# Allegro board RK_EVB7_RK3588_LP4XD200P232SD8_V11_20230111YWQ.brd (continued)
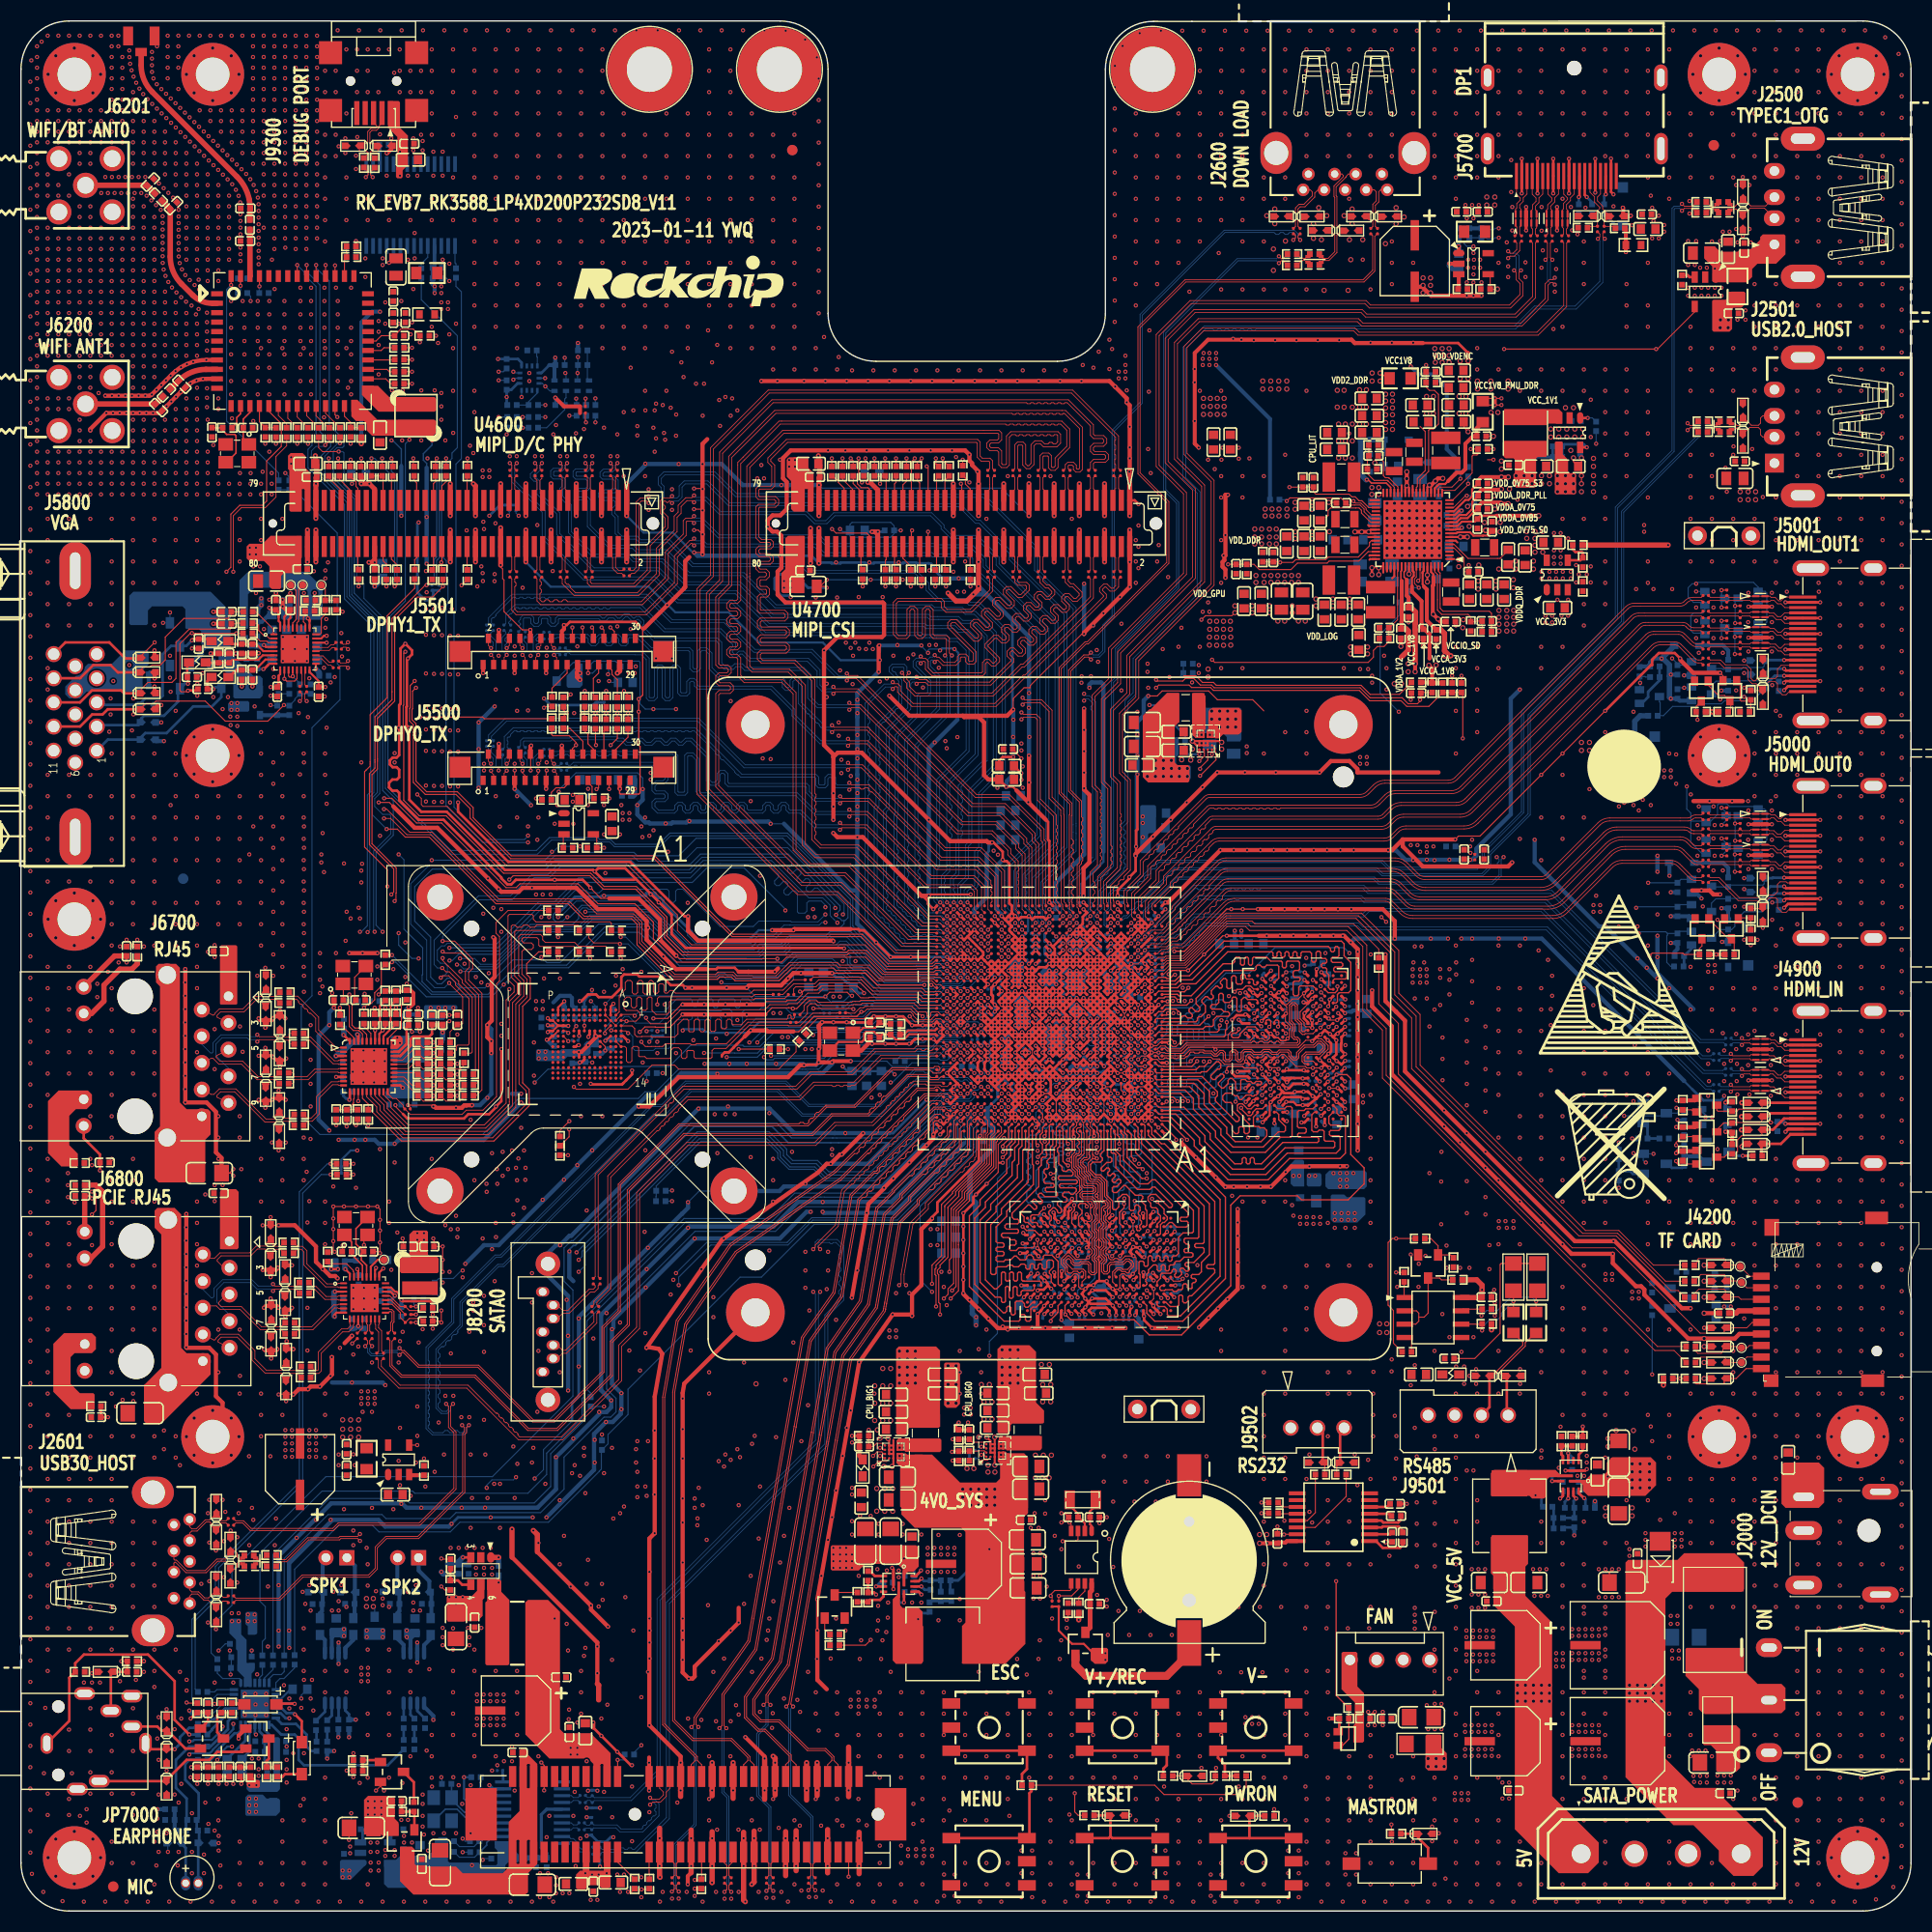
[diagram p0: board, top side]
## Copper pours and planes (outline as drawn; the poured copper is in the pictures) (continued)
VDD_CPU_LIT_S0 on L4-GND2: 96.29,84.37 95.78,83.86 73.3,83.86 70.57,86.59 70.57,120.88 90.58,140.88 105.18,140.88 109.37,145.07 113.94,145.07 115.72,143.3 115.72,133.14 114.07,131.49 101.5,131.49 87.02,117.01 87.02,95.8 96.29,86.53
VDD_CPU_LIT_S0 on L5-POWER2: 115.21,144.06 115.21,128.95 114.71,128.44 114.71,128.06 115.09,127.68 115.09,126.41 113.56,124.88 112.55,124.88 109.75,122.09 109.75,115.86 109.12,115.23 105.69,115.23 105.56,115.36 105.05,114.85 102.01,114.85 101.63,114.47 101.63,114.34 101.5,114.21 98.96,114.21 96.42,111.67 86.51,111.67 84.23,109.39 84.23,92.37 87.78,88.81 93.24,88.81 93.37,88.69 93.37,87.54 93.5,87.42 96.29,87.42 96.42,87.29 96.42,84.11 96.04,83.73 81.81,83.73 81.69,83.86 72.42,83.86 62.89,93.39 62.89,114.85 92.35,144.31 114.96,144.31
VDD_DDR_PLL_S0 on TOP: 140.23,135.17 141.88,135.17 142.01,135.3 142.01,135.55 141.76,135.8 140.74,135.8 140.61,135.68 140.36,135.68 140.23,135.55
VDD_DDR_PLL_S0 on L4-GND2: 97.31,54.02 93.5,57.83 93.5,64.94 99.09,70.53 99.09,73.57 99.47,73.95 99.47,79.42 99.34,79.54 99.34,79.92 99.09,80.18 99.09,80.56 99.97,81.45 100.61,81.45 101.12,81.96 101.24,81.96 101.37,81.83 101.37,80.69 101.24,80.56 100.48,80.56 100.23,80.3 100.23,79.42 100.36,79.29 100.36,77.76 101.12,77 101.37,77 101.63,76.75 101.63,76.49 101.75,76.37 101.75,69 101.24,68.49 99.09,68.49 94.51,63.92 94.51,59.48 97.94,56.05 99.34,56.05 100.61,54.78 99.85,54.02
VDD_DDR_S0 on TOP: 125.63,129.33 125.63,130.85 125.5,130.98 124.61,130.98 123.98,130.34 120.04,130.34 119.91,130.47 119.91,131.74 119.66,131.99 117.37,131.99 116.99,131.61 116.99,129.58 117.5,129.07 119.66,129.07 119.79,128.95 124.1,128.95 124.49,129.33
VDD_DDR_S0 on L3-POWER1: 98.32,80.05 98.2,80.18 97.82,80.18 97.43,80.56 97.43,91.35 98.07,91.99 101.5,91.99 101.75,92.24 102.77,92.24 103.28,92.75 103.28,95.54 103.4,95.67 103.4,107.86 105.56,110.02 109.5,110.02 112.04,112.56 112.04,113.07 114.2,115.23 114.2,123.36 111.4,126.15 111.4,131.74 112.17,132.5 120.04,132.5 120.42,132.12 120.42,129.83 119.53,128.95 119.53,128.06 119.66,127.93 122.07,127.93 122.45,127.55 122.45,119.04 120.55,117.13 120.55,109.13 113.56,102.15 113.56,99.35 110.39,96.18 110.39,88.56 108.61,86.78 104.17,86.78 103.53,86.15 103.53,84.24 103.66,84.11 103.66,82.59 103.53,82.46 103.53,81.19 103.28,80.94 102.9,80.94 102.77,80.81 102.77,80.3 102.51,80.05
VDD_GPU_S0 on BOTTOM (solid shape): 108.1,105.2 108.1,102.78 107.98,102.66 107.89,102.66 107.81,102.67 107.73,102.66 107.47,102.66 107.34,102.53 107.34,102.02 107.59,101.77 107.59,100.88 107.47,100.75 106.71,100.75 106.58,100.88 106.58,105.2 106.71,105.32 107.98,105.32
VDD_GPU_S0 on BOTTOM (solid shape): 99.97,89.7 100.22,89.58 100.46,89.7 100.48,89.7 100.61,89.58 100.86,89.58 101,89.6 101.1,89.69 101.12,89.7 101.63,89.7 101.75,89.58 101.75,89.28 101.56,89.07 101.52,88.98 101.52,88.96 101.37,88.81 101.37,87.54 101.24,87.42 100.61,87.42 100.61,87.42 100.36,87.67 100.09,87.67 99.84,87.42 99.02,88.25 99.02,88.49 99.12,88.6 99.15,88.59 99.33,88.59 99.48,88.68 99.51,88.71 99.53,88.76 99.59,88.81 99.59,89.07 99.47,89.19 99.39,89.19 99.38,89.2 99.24,89.23 99.09,89.19 99.09,89.19 99.02,89.26 99.02,89.76 99.09,89.83 99.84,89.83
VDD_GPU_S0 on TOP: 125.12,125.39 125.25,125.52 125.25,128.15 121.91,128.15 121.31,127.55 117.63,127.55 117.5,127.68 115.34,127.68 115.21,127.55 115.21,125.64 115.72,125.14 122.96,125.14 123.22,125.39
VDD_GPU_S0 on L4-GND2: 99.34,87.42 99.34,90.46 99.72,90.85 99.72,109.51 109.25,119.04 114.45,119.04 115.72,120.31 115.72,127.68 116.1,128.06 122.33,128.06 123.98,126.41 123.98,120.31 115.02,111.36 115.02,107.17 110.64,102.78 110.64,93.64 107.98,90.97 107.72,90.97 105.05,88.31 104.93,88.31 104.93,87.92 104.8,87.8 101.63,87.8 101.12,87.29 99.47,87.29 ; 1 cut-out
VDD_GPU_S0 on L5-POWER2: 99.59,86.65 104.67,86.65 105.56,87.54 105.56,88.18 106.2,88.81 106.2,89.83 106.32,89.96 108.74,89.96 112.67,93.89 119.53,93.89 124.1,98.47 124.1,114.85 125.63,116.37 125.63,125.39 123.09,127.93 117.25,127.93 111.53,122.21 111.53,112.56 112.42,111.67 112.42,108.12 109.75,105.45 106.2,105.45 99.34,98.59 99.34,86.91
VDD_LOG_S0 on BOTTOM (solid shape): 98.21,89.58 98.51,89.7 98.7,89.7 98.76,89.64 98.76,88.24 98.58,88.05 97.18,88.05 96.97,88.26 96.95,88.36 96.9,88.45 96.9,88.7 97.05,88.85 97.05,89.45 97.43,89.83 97.96,89.83
VDD_LOG_S0 on TOP: 130.84,122.98 130.84,124.25 128.17,124.25 127.41,123.48 123.47,123.48 122.33,122.34 118.9,122.34 118.14,123.1 113.06,123.1 112.93,122.98 112.93,120.44 114.07,119.29 124.87,119.29 126.39,120.82 129.57,120.82 129.69,120.94 129.69,122.6 129.82,122.72 130.58,122.72
VDD_LOG_S0 on TOP: 94.13,109.51 94.13,107.48 94.26,107.36 95.15,107.36 95.53,107.74 95.53,109.39 95.28,109.64 94.26,109.64
VDD_LOG_S0 on L4-GND2: 101.63,130.98 87.27,116.63 87.27,95.67 96.67,86.27 96.67,85.26 96.8,85.13 99.59,85.13 99.72,85.26 99.72,86.53 99.09,87.16 99.09,95.04 99.21,95.16 99.21,109.64 109.12,119.55 114.58,119.55 115.6,120.56 115.6,129.45 114.07,130.98
VDD_LOG_S0 on L6-S2: 96.29,80.43 96.29,80.81 96.67,81.19 96.67,82.59 98.32,84.24 98.32,84.62 98.45,84.75 98.45,85.13 98.13,85.45 97.75,85.45 97.69,85.51 97.69,85.77 98.07,86.15 100.99,86.15 100.99,82.84 100.1,81.96 99.47,81.96 97.43,79.92 96.8,79.92
VDD_NPU_S0 on TOP (solid shape): 110.26,113.2 109.88,112.82 109.88,109.39 110.13,109.13 111.15,109.13 111.28,109.01 111.28,107.61 111.15,107.48 107.34,107.48 106.83,107.99 106.83,113.83 107.47,114.47 107.59,114.47 109.12,115.99 110.26,115.99
VDD_NPU_S0 on BOTTOM (solid shape): 110.26,111.67 110.26,110.15 110.01,109.9 110.01,109.26 110.13,109.13 111.28,109.13 111.4,109.01 111.4,107.86 111.28,107.74 107.09,107.74 106.96,107.86 106.96,111.67 107.09,111.8 110.13,111.8
VDD_NPU_S0 on BOTTOM (solid shape): 95.07,90.67 95.11,90.62 95.16,90.58 95.28,90.46 95.39,90.46 95.51,90.35 95.51,90.29 95.53,90.28 95.53,89.57 95.4,89.45 95.4,89.38 95.36,89.23 95.4,89.08 95.4,88.73 95.36,88.58 95.4,88.43 95.4,88.08 95.39,88.06 95.15,88.06 95.15,88.05 94.51,88.05 94.39,88.18 94.36,88.18 94.35,88.35 94.26,88.5 94.26,88.66 94.35,88.79 94.37,88.94 94.37,89.09 94.01,89.45 94.01,89.79 94.03,89.83 94.05,89.87 94.13,89.96 94.13,90.34 94.26,90.46 94.39,90.46 94.51,90.59 94.51,90.72 94.64,90.85 94.89,90.85
VDD_NPU_S0 on BOTTOM: 93.75,101.01 93.75,104.94 94.26,105.45 95.4,105.45 95.66,105.7 95.66,107.1 95.53,107.23 94.89,107.23 94.77,107.1 94.77,105.7 94.64,105.58 93.12,105.58 92.86,105.32 92.86,101.64 92.48,101.26 92.48,100.75 92.86,100.37 93.12,100.37
VDD_NPU_S0 on L5-POWER2: 93.62,88.05 93.62,88.81 93.37,89.07 92.86,89.07 92.23,89.7 87.15,89.7 84.48,92.37 84.48,109.01 86.64,111.17 96.8,111.17 99.34,113.71 101.88,113.71 102.77,114.59 109.37,114.59 109.44,114.53 110.07,114.53 110.77,113.83 110.77,110.53 111.53,109.77 111.53,107.99 109.5,105.96 105.94,105.96 98.83,98.85 98.83,90.34 98.7,90.21 99.09,89.83 99.09,88.05 98.7,87.67 95.78,87.67 95.66,87.8 93.88,87.8
VDD_VDENC_S0 on BOTTOM (solid shape): 100.36,86.52 100.6,86.52 100.87,86.25 100.97,86.07 101.16,85.98 101.2,85.93 101.25,85.84 101.33,85.77 101.37,85.74 101.37,85.65 101.36,85.61 101.35,85.57 101.34,85.48 101.24,85.38 100.61,85.38 100.55,85.33 100.42,85.33 100.36,85.26 100.1,85.26 100.01,85.31 99.92,85.33 99.9,85.33 99.85,85.38 99.85,86.4 100.1,86.65 100.23,86.65
VDD_VDENC_S0 on TOP: 134.39,139.74 136.93,139.74 137.06,139.87 137.06,140.88 136.55,141.39 136.55,144.57 136.42,144.69 136.42,149.14 136.17,149.39 134.52,149.39 134.39,149.27 134.39,145.2 134.77,145.2 135.28,144.69 135.28,141.26 134.9,140.88 134.39,140.88
VDD_VDENC_S0 on BOTTOM: 117.37,92.75 117.37,91.61 117.25,91.48 115.34,91.48 115.21,91.61 115.21,92.75 115.34,92.88 117.25,92.88
VDD_VDENC_S0 on L4-GND2: 100.36,82.46 99.97,82.84 99.97,86.91 100.1,87.04 101.37,87.04 101.88,87.54 104.55,87.54 110.9,93.89 110.9,102.91 115.21,107.23 115.21,111.17 124.23,120.18 124.23,126.41 121.06,129.58 121.06,149.9 122.2,151.04 136.04,151.04 136.42,150.66 136.42,147.23 136.17,146.98 134.39,146.98 134.26,147.11 134.26,147.49 134.14,147.61 133.5,147.61 133.25,147.36 133.25,147.23 131.22,145.2 129.57,145.2 129.18,144.82 129.18,136.31 129.82,135.68 129.82,134.79 129.31,134.28 129.31,128.82 129.95,128.18 133.25,128.18 133.63,127.8 133.63,119.42 133.38,119.17 133.38,117.52 125.88,110.02 125.37,110.02 124.1,108.75 124.1,108.12 120.17,104.18 120.17,101.64 119.91,101.39 119.91,100.62 120.17,100.37 120.17,94.53 114.13,88.5 114.13,85.45 113.44,84.75 112.8,84.75 112.67,84.88 103.28,84.88 103.02,84.62 103.02,82.84 102.64,82.46 ; 1 cut-out
VDDA_0V85_S0 on BOTTOM (solid shape): 99.66,92.61 99.91,92.49 100.16,92.61 100.28,92.61 100.54,92.48 100.81,92.61 100.93,92.61 101.19,92.48 101.46,92.61 101.64,92.61 101.67,92.57 101.67,92.39 101.59,92.3 101.54,92.18 101.54,92.16 101.4,92.01 99.7,92.01 99.57,92.14 99.57,92.16 99.54,92.29 99.47,92.39 99.47,92.56 99.49,92.59 99.51,92.61
VDDA_0V85_S0 on TOP: 140.23,133.14 144.68,133.14 144.81,133.01 144.81,132.63 144.68,132.5 141.25,132.5 141.12,132.63 140.61,132.63 140.49,132.76 140.11,132.76 140.11,133.01
VDDA_0V85_S0 on L3-POWER1: 140.36,97.07 142.39,99.1 142.39,103.42 140.36,105.45 140.36,116.25 143.41,119.29 143.41,133.26 143.54,133.39 145.95,133.39 147.09,132.25 147.09,96.94 146.08,95.93 146.08,78.91 145.31,78.15 145.31,64.56 144.81,64.05 140.49,64.05 140.36,64.18
VDDA_0V85_S0 on L3-POWER1: 80.61,73.76 87.78,80.94 91.08,80.94 91.21,81.07 91.21,81.15 91.25,81.19 91.72,81.19 91.72,76.88 85.12,70.27 85.12,54.78 84.61,54.27 80.8,54.27 79.02,56.05 79.02,69.76 80.61,71.35
VDDA_0V85_S0 on L3-POWER1: 99.77,91.94 99.59,92.12 99.59,92.75 100.74,93.89 100.74,95.42 100.36,95.8 100.36,96.56 100.1,96.81 100.1,110.15 105.31,115.36 108.36,115.36 109.75,116.75 109.75,123.48 110.77,124.5 112.93,124.5 113.44,123.99 113.44,123.23 112.67,122.47 112.67,119.42 112.55,119.29 112.55,116.63 109.5,113.58 106.45,113.58 101.63,108.75 101.63,100.5 102.13,99.99 102.13,95.42 102.39,95.16 102.39,93.51 102.01,93.13 102.01,92.62 101.32,91.94
VDDA_0V85_S0 on L6-S2: 142.27,65.95 142.39,65.83 142.39,61.13 141.63,60.37 130.2,60.37 118.52,48.68 80.42,48.68 78.38,50.71 78.38,52.62 81.62,55.86 84.29,55.86 87.66,52.49 95.91,52.49 96.16,52.75 115.21,52.75 126.26,63.79 129.18,63.79 131.34,65.95
VDDA_0V85_S0 on L6-S2: 118.9,121.71 138.46,121.71 140.74,123.99 142.9,123.99 143.66,124.75 143.66,128.82 143.03,129.45 143.03,131.74 143.28,131.99 144.42,131.99 144.81,132.37 144.81,133.52 144.42,133.9 142.39,133.9 141.38,132.88 141.38,129.96 140.61,129.2 140.61,127.93 135.79,123.1 122.83,123.1 121.31,124.63 119.53,124.63 119.02,125.14 116.36,125.14 116.1,125.39 112.42,125.39 112.04,125.01 112.04,123.48 112.42,123.1 115.47,123.1 115.85,122.72 117.88,122.72
VDDA_1V2_S0 on TOP: 130.45,119.04 130.58,119.17 130.58,119.67 130.71,119.8 131.6,119.8 131.72,119.67 131.72,119.42 131.6,119.29 131.6,117.52 131.85,117.26 131.85,116.75 131.47,116.37 130.71,116.37 130.45,116.63
VDDA_1V2_S0 on L3-POWER1: 96.42,91.99 97.56,91.99 98.07,92.5 98.07,104.82 96.16,106.72 95.53,106.72 93.75,108.5 93.75,110.02 94.01,110.28 95.4,110.28 95.53,110.4 95.53,111.29 95.4,111.42 92.35,111.42 91.34,110.4 91.34,107.61 96.48,102.47 96.48,96.88 96.16,96.56 96.16,92.24
VDDA_1V2_S0 on L6-S2: 95.15,109.64 100.48,109.64 103.28,112.44 112.04,112.44 112.29,112.18 123.72,112.18 125.63,114.09 131.09,114.09 131.85,114.85 131.85,116.88 131.34,117.39 129.57,117.39 127.91,115.74 103.34,115.74 101.69,114.09 100.48,114.09 97.82,111.42 94.89,111.42 94.77,111.29 94.77,110.02
VDDQ_DDR on BOTTOM (solid shape): 126.26,67.99 127.91,67.99 128.04,67.86 128.04,66.33 127.28,65.57 124.99,65.57 124.74,65.83 124.74,68.11 124.87,68.24 126.01,68.24
VDDQ_DDR on L3-POWER1: 95.78,64.94 97.43,66.59 98.58,66.59 99.21,65.95 99.21,63.79 98.7,63.29 98.7,58.97 99.02,58.65 99.02,57.64 98.7,57.32 98.7,56.81 98.58,56.68 98.58,56.17 98.83,55.92 99.59,55.92 99.72,56.05 106.32,56.05 106.71,56.43 106.71,57.57 106.07,58.21 105.82,58.21 105.69,58.33 105.69,58.59 105.94,58.84 106.2,58.84 106.96,59.6 106.96,60.75 106.83,60.87 106.83,62.65 106.32,63.16 106.32,64.81 107.02,65.51 107.02,66.27 107.59,66.84 108.86,66.84 109.75,65.95 123.34,65.95 125.76,68.37 125.76,74.72 125.18,75.29 120.87,75.29 120.8,75.35 117.88,75.35 116.36,76.88 116.36,77.26 117.37,78.27 117.37,78.53 117.63,78.78 119.15,78.78 119.53,78.4 120.17,78.4 120.42,78.65 122.58,78.65 122.83,78.4 123.85,78.4 124.23,78.78 124.23,79.16 124.36,79.29 124.74,79.29 125.12,78.91 125.12,78.53 125.95,77.7 126.45,77.7 126.77,78.02 126.77,85.89 126.52,86.15 126.01,86.15 125.5,85.64 125.25,85.64 124.87,85.26 124.49,85.26 124.23,85.51 124.23,85.77 123.98,86.02 119.53,86.02 118.64,85.13 117.75,85.13 117.5,85.38 117.5,86.02 116.36,87.16 116.36,88.43 117.5,89.58 128.8,89.58 129.57,88.81 129.57,65.06 117.5,53 97.82,53 95.78,55.03 ; 2 cut-outs
VDDQ_DDR_CK_S0 on BOTTOM (solid shape): 122.2,71.41 122.2,69 121.18,69 120.93,69.26 120.93,71.16 121.31,71.54 122.07,71.54
VDDQ_DDR_CK_S0 on L3-POWER1: 102.9,80.56 102.9,79.92 104.42,78.4 104.42,75.73 109.37,70.78 111.02,70.78 112.42,69.38 114.2,69.38 114.33,69.51 121.95,69.51 122.2,69.76 122.2,70.27 120.93,71.54 114.33,71.54 112.8,73.07 109.88,73.07 106.2,76.75 106.2,78.02 103.53,80.69 103.02,80.69
VDDQ_DDR_CKE_S3 on BOTTOM (solid shape): 123.85,70.14 123.85,69.13 123.72,69 122.58,69 122.45,69.13 122.45,70.14 122.58,70.27 123.72,70.27
VDDQ_DDR_CKE_S3 on L3-POWER1: 113.56,75.61 116.1,73.07 121.69,73.07 123.6,71.16 123.6,69.76 123.47,69.64 122.58,69.64 122.45,69.76 122.45,70.02 120.8,71.67 114.83,71.67 113.06,73.45 109.75,73.45 106.58,76.62 106.58,77.89 103.91,80.56 103.91,82.21 105.82,82.21 108.99,79.03 108.99,77 110.39,75.61
VDDQ_DDR_CKE_S3 on L6-S2: 104.67,81.96 104.67,81.07 103.53,79.92 103.53,79.29 103.02,78.78 101.75,78.78 101.24,78.27 100.48,78.27 100.36,78.4 100.36,78.78 100.48,78.91 100.61,78.91 100.74,79.03 100.74,80.05 100.86,80.18 101.63,80.18 102.64,81.19 102.64,81.96 102.9,82.21 104.42,82.21
VDDQ_DDR_S0 on TOP: 135.53,124.12 135.41,124.25 135.41,125.14 137.19,125.14 137.44,125.39 142.39,125.39 142.52,125.26 142.52,121.71 142.27,121.45 139.85,121.45 139.73,121.58 139.73,123.99 139.6,124.12
VDDQ_DDR_S0 on BOTTOM: 121.44,68.24 123.72,68.24 123.85,68.11 123.85,66.97 124.04,66.78 124.04,65.13 124.49,64.68 128.55,64.68 129.31,65.45 129.31,88.94 130.33,89.96 134.14,89.96 134.39,89.7 134.39,88.18 133.88,87.67 132.49,87.67 132.23,87.42 132.23,62.78 131.22,61.76 122.58,61.76 121.69,62.65 121.69,65.19 121.56,65.32 121.56,66.21 121.69,66.33 121.69,67.35 121.44,67.6
VDDQ_DDR_S0 on L4-GND2: 145.19,122.72 145.19,102.78 141.25,98.85 141.25,90.72 138.26,87.73 131.91,87.73 131.6,88.05 131.6,101.89 140.23,110.53 140.23,123.99 140.61,124.37 143.54,124.37
VDDQ_DDR_S0 on L4-GND2: 102.01,76.62 101.37,77.26 101.24,77.26 100.36,78.15 100.36,80.05 100.61,80.3 102.51,80.3 102.95,80.74 102.95,82.59 103.02,82.66 103.02,84.5 113.94,84.5 114.45,83.99 114.45,79.03 123.98,69.51 123.98,65.19 123.72,64.94 113.69,64.94 110.01,68.62 103.4,68.62 102.01,70.02 ; 1 cut-out
(no net) on TOP: 146.58,41.57 147.8,41.57 147.8,41.32 145.57,41.32 145.31,41.06 145.31,39.54 145.06,39.28 143.92,39.28 143.66,39.54 139.98,39.54 139.98,41.7 140.3,42.01 146.14,42.01
(no net) on TOP: 149.25,39.54 148.74,40.05 148.74,40.55 148.49,40.81 147.47,40.81 147.47,41.06 149,41.06 149.5,41.57 150.77,41.57 151.03,41.82 151.03,42.71 151.54,43.22 155.22,43.22 155.73,42.71 155.73,40.55 154.71,39.54
(no net) on TOP: 84.23,30.9 84.23,32.04 84.48,32.3 84.99,32.3 85.5,32.81 85.5,34.58 85.24,34.84 77.24,34.84 77.11,34.71 77.11,32.55 77.24,32.43 79.78,32.43 80.42,33.06 83.46,33.06 83.97,32.55 83.97,30.9
(no net) on TOP: 89.56,23.66 89.56,27.09 89.94,27.47 89.94,36.11 89.56,36.49 85.12,36.49 83.85,37.76 83.85,42.71 84.35,42.71 85.12,43.47 86.77,43.47 89.43,40.81 92.86,40.81 94.01,41.95 94.01,42.71 94.39,43.09 95.78,43.09 95.91,42.97 95.91,37.89 95.53,37.51 95.53,30.52 95.66,30.39 95.66,25.44 93.75,23.54 89.69,23.54
(no net) on TOP: 101.88,24.93 101.88,23.92 102.26,23.54 103.28,23.54 103.53,23.79 103.53,24.93 103.4,25.06 102.01,25.06
(no net) on TOP: 83.46,30.14 83.46,31.36 83.72,31.36 83.72,29.12 83.97,28.87 85.5,28.87 85.88,28.49 85.88,23.66 85.75,23.54 83.34,23.54 83.02,23.85 83.02,29.7
(no net) on L4-GND2: 105.44,53.89 126.64,53.89 130.58,57.83 130.58,61.13 136.55,67.1 137.57,67.1 142.27,71.8 142.27,97.83 146.2,101.77 146.2,125.39 145.95,125.64 145.95,127.68 145.69,127.93 145.69,133.26 142.39,136.57 142.39,145.96 136.8,151.55 122.2,151.55 120.93,150.28 120.93,144.69 120.68,144.44 115.34,144.44 114.45,145.33 114.45,149.65 113.82,150.28 113.82,156 119.41,161.58 154.71,161.58 157.76,158.54 157.76,113.45 151.41,107.1 151.41,61 130.9,40.49 116.55,40.49 106.58,30.52 81.18,30.52 80.42,31.28 80.42,44.11 82.32,46.01 97.56,46.01
(no net) on L4-GND2: 33.43,3.72 33.36,3.79 31.97,3.79 31.52,4.23 30.38,4.23 29.93,3.79 24.66,3.79 23.27,5.18 23.27,6.01 22.38,6.9 21.49,6.9 17.42,10.96 16.79,10.96 15.65,12.11 15.65,12.36 12.34,15.66 12.34,16.68 8.92,20.11 8.41,20.11 7.14,21.38 7.14,84.62 6.88,84.88 6.88,89.58 7.26,89.96 7.26,96.69 7.14,96.81 7.14,108.63 8.03,109.51 8.03,120.31 7.39,120.94 7.39,130.98 8.28,131.87 22.25,131.87 22.63,131.49 22.63,128.95 22.25,128.56 20.09,128.56 19.2,127.68 19.2,113.83 20.85,112.18 20.85,27.35 21.11,27.09 36.47,27.09 39.9,30.52 42.44,30.52 44.48,28.49 44.48,25.31 49.3,20.49 121.56,20.49 124.87,17.19 130.14,17.19 131.03,18.07 145.44,18.07 150.9,23.54 150.9,42.08 151.66,42.84 167.67,42.84 168.3,42.2 168.3,12.49 159.54,3.72 129.18,3.72 128.93,3.98 87.53,3.98 87.27,3.72 58.06,3.72 57.94,3.85 51.84,3.85 51.71,3.98 48.79,3.98 48.54,3.72
FAN_12V on TOP: 132.23,24.81 132.87,24.17 132.87,16.93 132.61,16.68 132.61,15.15 132.49,15.03 130.84,15.03 130.33,15.53 130.33,19.6 130.71,19.98 130.71,24.42 131.09,24.81
HDMI_VDDA0V85_S0 on BOTTOM (solid shape): 103.4,89.45 103.78,89.07 103.83,89.07 103.84,89.04 103.91,88.96 104,88.93 104.04,88.92 104.04,88.81 104.26,88.59 104.25,88.56 104.25,88.52 104.11,88.25 104.25,87.98 104.25,87.87 104.21,87.83 104.17,87.79 104.01,87.63 104.01,87.57 103.97,87.52 103.97,87.47 103.91,87.42 103.29,87.42 103.16,87.54 103.16,88.94 103.15,88.94 102.9,89.19 102.9,89.58 103.02,89.7 103.4,89.7
HDMI_VDDA0V85_S0 on TOP: 140.49,134.28 140.49,134.03 140.74,133.77 141.88,133.77 142.14,134.03 142.14,134.28 142.01,134.41 140.61,134.41
HDMI_VDDA0V85_S0 on TOP: 136.93,101.51 137.06,101.64 139.34,101.64 139.6,101.39 139.6,100.88 139.47,100.75 138.84,100.75 138.58,100.49 137.95,100.49 137.69,100.75 137.06,100.75 136.93,100.88
HDMI_VDDA0V85_S0 on L3-POWER1: 143.15,119.17 140.36,116.37 140.36,101.89 139.04,100.57 136.85,100.57 136.74,100.69 136.74,102.85 137.82,103.93 137.82,119.8 138.96,120.94 138.96,123.61 140.87,125.52 140.87,129.71 141.25,130.09 141.25,132.88 140.74,133.39 140.74,134.28 141,134.53 142.27,134.53 143.15,133.64
HDMI_VDDA0V85_S0 on L6-S2: 102.39,95.8 102.39,92.88 103.15,92.12 103.15,87.42 103.28,87.29 103.78,87.29 103.91,87.42 103.91,88.94 103.53,89.32 103.53,89.7 103.66,89.83 104.04,89.83 104.17,89.96 104.17,93.89 106.58,96.31 106.51,96.37 108.23,98.08 137.95,98.08 138.46,98.59 138.46,101.39 138.2,101.64 135.03,101.64 134.77,101.39 134.77,99.61 134.14,98.97 127.66,98.97 127.15,99.48 106.2,99.48 104.67,97.96 104.55,97.96
PA_5V on BOTTOM (solid shape): 34.7,26.84 34.7,25.95 34.57,25.82 32.79,25.82 32.66,25.95 32.66,26.84 32.79,26.96 34.57,26.96
PA_5V on BOTTOM (solid shape): 31.01,26.96 31.01,26.08 30.89,25.95 30.51,25.95 30.38,26.08 29.49,26.08 29.36,26.2 29.36,26.84 29.49,26.96 30.51,26.96 30.63,27.09 30.89,27.09
PA_5V on BOTTOM (solid shape): 36.98,26.84 37.87,26.84 38,26.71 38,26.2 37.87,26.08 37.49,26.08 37.24,25.82 36.73,25.82 36.47,26.08 36.47,26.84 36.6,26.96 36.86,26.96
PA_5V on L6-S2: 30.51,26.96 30.51,25.82 30.76,25.57 36.6,25.57 36.98,25.95 36.98,26.96 36.86,27.09 30.63,27.09
PHY0_REG_OUT on TOP (solid shape): 36.35,83.13 36.35,82.59 35.87,82.12 35.2,82.12 35.2,82.97 35.62,83.38 36.09,83.38
PHY0_REG_OUT on BOTTOM (solid shape): 38.76,82.97 38.76,80.81 35.46,80.81 35.2,81.07 35.2,83.23 35.33,83.35 38.38,83.35
PHY1_REG_OUT on TOP: 36.22,58.59 39.78,58.59 39.78,59.98 36.22,59.98 35.97,60.24 34.7,60.24 34.32,59.86 34.32,59.73 34.37,59.68 35.26,59.68 35.71,59.22 35.84,59.22 36.22,58.84
PMIC_SW1 on TOP: 126.39,128.06 126.77,128.44 127.53,128.44 128.3,129.2 129.44,129.2 129.44,128.44 128.55,128.44 128.04,127.93 128.04,125.77 127.66,125.39 126.39,125.39
PMIC_SW2 on TOP: 129.44,133.9 129.44,134.46 128.5,134.46 128.17,134.79 128.17,135.68 127.91,135.93 127.91,137.58 127.66,137.84 126.39,137.84 126.39,135.17 126.77,134.79 127.15,134.79 127.53,134.41 127.79,134.41 128.3,133.9
PMIC_SW3 on TOP: 128.93,125.52 128.93,126.66 130.07,126.66 130.45,127.04 130.45,127.29 130.71,127.55 130.71,128.44 130.96,128.44 130.96,125.77 130.71,125.52
PMIC_SW4 on TOP: 133.5,135.68 133.5,136.44 134.26,137.2 134.26,138.09 134.65,138.47 136.55,138.47 136.68,138.34 136.68,137.45 136.17,136.95 134.9,136.95 133.88,135.93 133.88,135.68
PMIC_SW5 on TOP: 126.52,129.33 126.52,130.85 126.64,130.98 128.42,130.98 128.42,130.47 127.91,129.96 127.91,129.71 127.53,129.33
PMIC_SW6 on TOP: 131.09,135.68 130.84,135.93 130.58,135.93 129.95,136.57 129.95,137.58 131.6,137.58 131.6,135.68
PMIC_SW7 on TOP: 126.64,131.74 126.58,131.8 126.58,133.39 127.41,133.39 127.41,133.14 128.42,132.12 128.42,131.81 128.37,131.81 128.3,131.74
PMIC_SW8 on TOP: 137.82,128.95 136.55,130.22 136.55,130.6 136.92,130.6 137.06,130.47 137.95,130.47 138.2,130.72 138.84,130.72 138.96,130.6 138.96,129.07 138.84,128.95
PMIC_SW9 on TOP: 135.15,126.02 135.15,128.44 135.17,128.45 135.47,128.45 135.47,128.37 136.3,127.55 136.8,127.55 137.06,127.29 137.06,126.15 136.93,126.02
PMIC_SW10 on TOP: 132.23,135.68 132.23,137.2 131.85,137.58 131.85,138.47 133.5,138.47 133.5,136.95 132.87,136.31 132.87,135.68
RJ45_0_GND on TOP (solid shape): 15.27,66.33 15.27,53.63 15.77,53.13 17.81,53.13 18.06,52.87 18.06,51.09 13.36,46.4 11.96,46.4 11.71,46.65 11.71,50.08 13.36,51.73 13.36,64.43 12.73,65.06 12.73,66.72 12.98,66.97 14.63,66.97
RJ45_1_GND on TOP (solid shape): 15.14,89.83 15.14,77 15.77,76.37 17.81,76.37 18.06,76.11 18.06,73.95 17.55,73.45 17.55,69.51 17.42,69.38 13.11,69.38 12.73,69.76 12.73,74.21 13.23,74.72 13.23,88.05 12.85,88.43 12.85,89.96 13.11,90.21 14.76,90.21
RJ45_1_YR- on TOP (solid shape): 6.76,77.76 6.76,76.88 6.25,76.37 5.23,76.37 4.6,75.73 4.6,72.94 5.42,72.12 5.42,70.96 5.36,70.91 3.84,70.91 2.57,72.18 2.57,77.13 3.58,78.15 6.38,78.15
RJ45_2_YR- on TOP (solid shape): 7.14,54.65 7.14,53.51 6.76,53.13 5.11,53.13 4.72,52.75 4.72,50.21 5.61,49.32 6.88,49.32 7.01,49.19 7.01,47.79 4.72,47.79 3.07,49.44 3.07,54.02 4.09,55.03 6.76,55.03
N17720882 on TOP (solid shape): 83.72,29.12 83.97,28.87 85.5,28.87 85.88,28.49 85.88,23.66 85.75,23.54 83.34,23.54 83.02,23.85 83.02,29.7 83.46,30.14 83.46,31.36 83.72,31.36
N17721858 on BOTTOM: 168.05,22.9 167.54,22.39 159.28,22.39 159.03,22.65 159.03,28.11 159.41,28.49 167.03,28.49 168.05,27.47
N17721922 on TOP (solid shape): 163.73,17.31 163.73,13.63 163.35,13.25 161.57,13.25 161.44,13.38 161.44,15.28 160.93,15.79 160.3,15.79 160.17,15.92 160.17,17.57 160.3,17.69 163.35,17.69
N17758514 on TOP (solid shape): 87.66,44.87 87.66,43.86 87.53,43.73 84.23,43.73 84.16,43.79 84.16,44.62 83.46,44.62 83.46,44.87 83.59,45 87.53,45
N17758921 on TOP (solid shape): 97.18,45.13 97.18,43.98 97.05,43.86 93.88,43.86 93.82,43.92 93.82,44.74 93.12,44.74 93.12,44.99 93.13,45.07 93.14,45.15 93.24,45.25 97.05,45.25
N17759951 on TOP (solid shape): 112.81,115.72 112.81,115.12 112.83,115.1 112.83,112.56 112.77,112.51 111.91,112.51 111.91,112.05 111.78,111.92 111.65,111.92 111.54,112.03 111.54,112.96 111.53,112.97 111.53,115.86 111.66,115.99 112.55,115.99
N18169840 on TOP (solid shape): 35.08,144.19 39.4,144.19 39.52,144.06 39.52,142.92 39.4,142.79 34.06,142.79 32.47,144.38 32.47,145.27 32.48,145.27 33.99,145.27
N18169845 on TOP (solid shape): 33.93,142.03 39.4,142.03 39.52,141.9 39.52,140.76 39.27,140.5 33.43,140.5 32.92,141.01 32.92,141.65 32.66,141.9 31.9,141.9 31.46,142.35 31.46,143.93 32.03,143.93
N18396738 on TOP (solid shape): 146.79,142.71 146.79,141.65 145.45,141.65 145.31,141.52 141.25,141.52 141.25,143.04 146.46,143.04
N18400523 on TOP (solid shape): 127.28,24.55 127.28,21.38 127.91,20.74 127.91,16.17 127.79,16.04 126.9,16.04 126.9,17.69 127.03,17.82 127.03,19.85 125.76,21.12 125.76,24.55 125.88,24.68 127.15,24.68
N18441687 on TOP (solid shape): 146.58,41.57 147.8,41.57 147.8,41.32 145.57,41.32 145.31,41.06 145.31,39.54 145.06,39.28 143.92,39.28 143.66,39.54 139.98,39.54 139.98,41.7 140.3,42.01 146.14,42.01
N18565686 on BOTTOM: 154.97,59.22 155.6,59.22 155.85,58.97 155.85,58.21 156.24,57.83 157.51,57.83 157.63,57.7 157.63,57.06 157.51,56.94 156.24,56.94 155.85,57.32 155.09,57.32 154.97,57.44
N19284797 on TOP: 147.09,125.26 149,125.26 149.12,125.39 149.12,125.9 149,126.02 147.98,126.02 147.6,126.41 146.96,126.41 146.96,125.39
N20527799 on TOP (solid shape): 45.75,31.41 45.75,30.39 46.51,29.63 46.51,23.54 46.38,23.41 44.35,23.41 44.22,23.54 44.22,29.38 44.39,29.54 44.39,31.58 44.48,31.66 45.49,31.66
N20580034 on TOP: 151.79,166.54 152.43,166.54 154.71,164.25 154.71,158.28 153.95,158.28 153.95,159.04 153.57,159.43 153.57,162.22 151.79,164
N24515533 on TOP (solid shape): 20.73,68.49 20.73,63.16 20.6,63.03 18.95,63.03 18.95,68.49 19.2,68.75 20.47,68.75
N24519353 on TOP (solid shape): 20.6,91.86 20.6,86.4 20.55,86.36 18.99,86.36 18.95,86.4 18.95,91.86 19.08,91.99 20.47,91.99
N28073800 on TOP: 137.31,46.52 137.31,47.79 135.92,49.19 135.92,52.87 135.79,53 133.63,53 133.38,52.75 133.38,48.17 133.12,47.92 133.12,46.65 133.5,46.27 137.06,46.27
GND on L6-S2 (solid shape): 80.06,35.22 80.08,35.11 79.98,35.04 79.61,35.04 78.54,36.11 78.52,36.22 78.62,36.28 78.99,36.28
GND on L6-S2 (solid shape): 68.16,77.22 68.26,77.16 68.24,77.05 67.33,76.14 67.29,76.17 67.04,76.24 66.81,76.12 66.74,76.08 66.67,76.11 65.73,77.05 65.7,77.16 65.8,77.22
GND on L6-S2 (solid shape): 46.48,66.64 46.57,66.59 46.57,66.49 46.6,66.13 46.92,65.98 46.95,65.99 47.46,65.47 47.49,65.36 47.39,65.3 44.86,65.3 44.77,65.36 44.79,65.47 45.96,66.64
GND on TOP: 4.57,0.51 1.7,1.7 0.51,4.57 0.51,175.43 1.7,178.3 4.57,179.49 72.29,179.49 75.16,178.3 76.35,175.43 76.35,152.16 77.84,148.57 81.43,147.08 98.7,147.08 102.3,148.57 103.78,152.16 103.78,175.39 104.98,178.27 107.85,179.46 111.51,179.45 175.43,179.49 178.3,178.3 179.49,175.43 179.49,4.57 178.3,1.7 175.43,0.51 ; 85 cut-outs
GND on L2-GND1, L7-GND3: 4.57,0.51 1.7,1.7 0.51,4.57 0.51,175.43 1.7,178.3 4.57,179.49 72.29,179.49 75.16,178.3 76.35,175.43 76.35,152.16 77.84,148.57 81.43,147.08 98.7,147.08 102.3,148.57 103.78,152.16 103.78,175.39 104.98,178.27 107.85,179.46 111.51,179.45 175.43,179.49 178.3,178.3 179.49,175.43 179.49,4.57 178.3,1.7 175.43,0.51
GND on L4-GND2: 4.57,0.51 1.7,1.7 0.51,4.57 0.51,175.43 1.7,178.3 4.57,179.49 72.29,179.49 75.16,178.3 76.35,175.43 76.35,152.16 77.84,148.57 81.43,147.08 98.7,147.08 102.3,148.57 103.78,152.16 103.78,175.39 104.98,178.27 107.85,179.46 111.51,179.45 175.43,179.49 178.3,178.3 179.49,175.43 179.49,4.57 178.3,1.7 175.43,0.51 ; 10 cut-outs
GND on L5-POWER2: 4.57,0.51 1.7,1.7 0.51,4.57 0.51,175.43 1.7,178.3 4.57,179.49 72.29,179.49 75.16,178.3 76.35,175.43 76.35,152.16 77.84,148.57 81.43,147.08 98.7,147.08 102.3,148.57 103.78,152.16 103.78,175.39 104.98,178.27 107.85,179.46 111.51,179.45 175.43,179.49 178.3,178.3 179.49,175.43 179.49,4.57 178.3,1.7 175.43,0.51 ; 4 cut-outs
(no net) on BOTTOM: 4.57,0.51 1.7,1.7 0.51,4.57 0.51,175.43 1.7,178.3 4.57,179.49 72.29,179.49 75.16,178.3 76.35,175.43 76.35,152.16 77.84,148.57 81.43,147.08 98.7,147.08 102.3,148.57 103.78,152.16 103.78,175.39 104.98,178.27 107.85,179.46 111.51,179.45 175.43,179.49 178.3,178.3 179.49,175.43 179.49,4.57 178.3,1.7 175.43,0.51 ; 66 cut-outs
(no net) on L3-POWER1: 4.57,0.51 1.7,1.7 0.51,4.57 0.51,175.43 1.7,178.3 4.57,179.49 72.29,179.49 75.16,178.3 76.35,175.43 76.35,152.16 77.84,148.57 81.43,147.08 98.7,147.08 102.3,148.57 103.78,152.16 103.78,175.39 104.98,178.27 107.85,179.46 111.51,179.45 175.43,179.49 178.3,178.3 179.49,175.43 179.49,4.57 178.3,1.7 175.43,0.51 ; 20 cut-outs
(no net) on L6-S2: 4.57,0.51 1.7,1.7 0.51,4.57 0.51,175.43 1.7,178.3 4.57,179.49 72.29,179.49 75.16,178.3 76.35,175.43 76.35,152.16 77.84,148.57 81.43,147.08 98.7,147.08 102.3,148.57 103.78,152.16 103.78,175.39 104.98,178.27 107.85,179.46 111.51,179.45 175.43,179.49 178.3,178.3 179.49,175.43 179.49,4.57 178.3,1.7 175.43,0.51 ; 30 cut-outs

Small or netless copper shapes (teardrops, artwork), in the pictures only: 2 on L6-S2, 1 on TOP

## Text on the board
Ref Des/Silkscreen Bottom: SPK1 | SPK2
User.Comments: CR_SPEAKER_1 | CR_SPEAKER_2 | CR_1_2 | CR_UNNAMED_1 | CR_HDMI_1 | CR_HDMI_3 | CR_DDR0_1 | CR_1_10 | CR_1_8
Ref Des/Silkscreen Top: VDD_GPU | VDD_DDR | VDD_LOG | VDD2_DDR | VCC1V8 | VCCA_1V8 | VCCA_3V3 | VDD_VDENC | VCCIO_SD | VCC1V8_PMU_DDR | VDD_0V75_S3 | VDDA_DDR_PLL | VDDA_0V75 | VDDA_0V85 | VDD_0V75_S0 | VCC_1V1 | VCC_3V3 | CPU_BIG1 | CPU_BIG0 | CPU_LIT | VDDA_1V2 | VCC_1V8 | VDDQ_DDR | WIFI/BT ANT0 | WIFI ANT1 | J2601 | USB30_HOST | J5800 | J6200 | VGA | PCIE RJ45 | J6800 | JP7000 | J6201 | EARPHONE | MIC | J6700 | RJ45 | SPK1 | RK_EVB7_RK3588_LP4XD200P232SD8_V11 | DPHY1_TX | DPHY0_TX | SPK2 | J5501 | J5500 | U4600 | MIPI_D/C PHY | 2023-01-11 YWQ | U4700 | MIPI_CSI | 4V0_SYS | MENU | ESC | V+/REC | RESET | PWRON | RS232 | V- | MASTROM | FAN | J9501 | RS485 | SATA_POWER | TF CARD | J4200 | TYPEC1_OTG | J2501 | USB2.0_HOST | J2500 | J5000 | HDMI_OUT0 | J5001 | J4900 | HDMI_OUT1 | HDMI_IN | J9300 | DEBUG PORT | J8200 | SATA0 | J2600 | DOWN LOAD | J9502 | VCC_5V | DP1 | J5700 | 5V | J2000 | ON | OFF | 12V__DCIN | 12V
User.7: FIGURE | SIZE | 7.87 | 11.81 | 25.98 | 27.56 | 29.13 | 33.46 | 35.43 | 36.22 | 39.37 | 40.16 | 43.31 | 53.15 | 62.99 | 66.9 | 70.87 | 90.55 | 94.49 | 106.3 | 125.98 | 169.29 | 31.5 | 47.24 | 51.18 | 55.12 | 59.06 | 78.74 | 86.61 | 133.86 | 59.06x27.56 | 59.06x31.5 | 66.93x27.56 | 66.93x35.43 | 78.74x23.62 | 78.74x31.49 | 86.61x27.56 | 90.55x39.37 | 106.3x35.43 | 137.8x39.37 | DRILL CHART: TOP to BOTTOM | ALL UNITS ARE IN MILS | PLATED | NON-PLATED | QTY | 8315 | 93 | 624 | 2 | 18 | 7 | 4 | 26 | 6 | 15 | 10 | 12 | 3 | 1
User.17: 1 | 2 | 29 | 30 | 3 | 9 | 6 | 4 | 7 | 5 | AY | AV | AW | AT | AU | AP | AR | AM | AN | AK | AL | AH | AJ | AF | AG | AD | AE | AB | AC | Y | AA | V | W | T | U | P | R | M | N | K | L | H | J | F | G | D | E | B | C | A | 8 | 10 | 12 | 11 | 14 | 13 | 16 | 15 | 18 | 17 | 20 | 19 | 22 | 21 | 24 | 23 | 26 | 25 | 28 | 27 | 32 | 31 | 34 | 33 | 36 | 35 | 38 | 37 | 40 | 39 | NTC | VCC5V0_SYS_S3 | VCC1V8_EFUSE | VCC_DDR | VCC3V3_SYS | VDD_CPU_L | VDD_LOG | MIPI_RST | TOUCH_RST_L | MIPI_PDN | LCD_CS_H | NPU_VCCIO_3V3 | NPU_VCC_1V8 | NPU CIF Camera | NPU CONNECTION | NPU_VDD_0V8 | NPU_1V8_EFUSE | VDD_GPU | VCC_IN | VCC_BACK5 | VDD_CENTER | NPU_VDD | NPU_VCC_DDR | NPU_VDD_CPU | NPU_VDD_LOG | USB3.0 | PCIE | VDD_CPU_B | AGING_PORT | UART_DEBUG_PORT | 12V_DC IN | ON | OFF | GND | RK_EVB_RK3399PRO_LP3S178P332SD8_V14 | 2019-11-08_LINT | MIC Array-Digital | HEADPHONE | NPU DEBUG | TX | RX | MIPI_RX/N4 Input | MIPI_TX/RX | MIPI_TX | IR | JTAG | USIM CARD | USB2.0 HOST | USB3.0 HOST | TF Card | BAT | SPEAKER | MIC | HDMI | USB2.0 | TYPEC | Ethernet | MASKROM_BUTTON | CIF Camera
User.20: E:=0.5 0 0 2.54 0 1 | P:= 1 1 1 1
User.30: JP7000 | H9900 | H9912 | H9904 | FB5204 | C5224 | FB5205 | C5225 | ED5207 | ED5205 | ED5204 | ED5203 | ED5206 | ED5201 | ED5200 | C5229 | C5228 | GND9900 | ED7005 | ED7002 | ED7004 | R7052 | ED7003 | M9907 | FB5201 | R7017 | C7024 | R7051 | H9913 | H9908 | H9906 | FB5202 | FB5200 | C6702 | C6309 | R5217 | C6308 | C6302 | Y6300 | R5218 | R5213 | C5210 | C5209 | C6310 | C6703 | R6704 | R6703 | R6709 | R6707 | R6819 | R6818 | R6814 | R6815 | U6300 | U5200 | R6706 | R6705 | R6702 | R6700 | 79 | 80 | TP5202 | TP5201 | TP5200 | R6817 | R6816 | R6812 | R6813 | C8122 | R8126 | 3 | C5208 | C5213 | C5207 | C6700 | R6320 | C6802 | R6800 | C6813 | C6810 | R6810 | Y6700 | Y6800 | C6701 | U6800 | C6803 | R6804 | U6700 | TP6800 | 6 | 4 | C6350 | C6351 | C8127 | R8121 | C6323 | R6806 | R6808 | R6805 | R6811 | R6809 | C6840 | L6300 | R6740 | R6741 | R6736 | R6737 | R6738 | R6739 | L6301 | C6804 | C6805 | Q9305 | R8117 | R6301 | L6700 | C6722 | R6725 | R6728 | R6731 | R6722 | Q9303 | U4700 | C8303 | C8302 | C1823 | C1822 | Q9304 | R1901 | 1 | 2 | R1900 | R1800 | ED9300 | C8113 | ED9301 | R1319 | R1115 | R1803 | J5501 | J5500 | C9300 | C9301 | R1608 | R1609 | R1106 | C1619 | C1616 | C1618 | 29 | Q9302 | R9316 | 30 | C5502 | C5503 | R1521 | R1110 | U9302 | U8100 | R1902 | R1107 | R1311 | R1310 | R1308 | R1309 | R1306 | R1307 | R2300 | R2351 | R2312 | R2311 | R1512 | R1518 | R1517 | R2320 | R2329 | R2328 | J2200 | R2302 | R2306 | R2315 | R2310 | R1514 | R1516 | R1520 | C2321 | C2322 | R2301 | R2360 | R2307 | C2310 | R2309 | C2309 | R1519 | R1515 | R1513 | C2318 | C2319 | C2317 | C2316 | C2381 | R2304 | L2303 | L2309 | L2300 | R2319 | R2323 | M9902 | C2358 | C2305 | C2304 | R2324 | R2330 | C2323 | C2320 | R2321 | R2331 | C2360 | R2396 | R2395 | C2331 | C2330 | C2383 | C2332 | C2333 | C2314 | C2315 | C2350 | Y1100 | U2300 | J9902 | C1824 | C1825 | H9914 | C2342 | C2343 | C2346 | C2348 | C2351 | C2354 | C1100 | C2340 | C2339 | L2304 | C2329 | R2357 | R2336 | R2343 | R2341 | C2357 | C2361 | L2306 | R2380 | R2339 | R2345 | R2344 | R2340 | U4600 | SW9205 | SW9204 | R9203 | R2361 | R2363 | R2365 | R2346 | U1000 | C2102 | R9205 | Y2100 | ED9200 | C2103 | ED9201 | SW9200 | SW9201 | R9200 | C1402 | R9201 | ED9303 | R9351 | J9303 | R9350 | ED9302 | R2261 | R2260 | R2259 | R2235 | C9311 | R2201 | R9206 | R9202 | C1200 | SW9203 | SW9202 | U3800 | ED9202 | R9304 | R9305 | R2234 | R3808 | L2201 | L2205 | C2227 | C2228 | C2020 | C2019 | C2018 | C2203 | C2202 | C2239 | C2240 | C1730 | C1753 | C1752 | L2001 | C2265 | Q9000 | C2262 | R9004 | R9007 | C1742 | C2243 | C2242 | R1731 | R1710 | R1740 | R1322 | R1321 | C2259 | C2255 | R2008 | C1750 | C1751 | R1732 | U2001 | C1755 | R2232 | R2226 | R1741 | R1504 | R2034 | R2035 | ED9203 | C2250 | R2262 | L2202 | L2208 | L2207 | H9915 | R2218 | R9207 | R2012 | C2021 | C2030 | C2131 | R2225 | U2204 | C2285 | R2217 | R2252 | R2249 | D4801 | R2001 | R4813 | C2002 | C2003 | C2500 | 20 | 19 | Q4803 | R4808 | Q5002 | R5008 | R5030 | R5020 | D5007 | R2580 | Q5005 | R5018 | D5000 | Q4801 | R4805 | R4804 | Q5000 | R5001 | R5003 | Q4800 | GND9901 | C2504 | D5002 | R2680 | D4800 | C2614 | R2630 | Q5003 | R5012 | R5013 | R4812 | C2606 | R5007 | Q4804 | R4811 | U2602 | C2607 | Q5001 | R5006 | C1708 | C1709 | C1704 | C1705 | L2501 | R2500 | L2500 | R2501 | C1723 | C1724 | C1727 | C1728 | R2503 | R2504 | C2004 | R2609 | R5017 | Q5004 | R5016 | J8301 | R2514 | L2502 | R2510 | R4807 | C2000 | C8306 | C1725 | C1726 | C1721 | C1722 | R2509 | R2507 | R2506 | R2508 | R5021 | C5020 | R5025 | R5005 | D5010 | F2000 | C1706 | C1707 | R2513 | R2511 | R5014 | C5021 | R5015 | C1719 | C1720 | D5011 | C1702 | C1703 | C1700 | C1701 | C2611 | C2613 | C2612 | C2610 | R5010 | R5011 | C2608 | R2516 | R2515 | R2002 | C2507 | C2508 | R5000 | R5002 | H9901 | H9911 | H9909 | R2604 | L2600 | R2605 | ED4803 | ED4801 | ED4802 | ED5014 | ED5015 | ED5012 | ED5013 | ED5011 | ED4804 | C4800 | C5001 | R2632 | R2631 | C2602 | C2603 | R2634 | R2633 | C2604 | C2605 | ED5006 | ED5007 | ED5004 | ED5005 | ED5003 | M9900 | J2001 | H9903 | H9907 | H9902 | M9906 | C6301 | C6303 | C6307 | C8313 | C8312 | R1801 | R1807 | R1719 | R1708 | R7015 | MIC7000 | R6820 | 11 | C6819 | C6705 | J5200 | R6713 | ANT6301 | ANT6300 | C6818 | R6821 | C6706 | R6711 | ANT6302 | D5211 | J6700 | R7050 | J6800 | R7010 | C7020 | C5206 | Q7003 | R7013 | R7011 | C7021 | C5204 | C5212 | R6305 | R6304 | C5217 | C5205 | C6816 | R5208 | C5211 | C5203 | C6305 | R5209 | R5206 | C5201 | 5 | 7 | 9 | D5202 | C6817 | ED6701 | ED6705 | ED6700 | ED6704 | C5202 | ED6801 | ED6800 | ED6805 | ED6804 | R5210 | ED6707 | R5214 | ED6706 | ED6703 | ED6702 | C5200 | C5222 | FB5203 | R6311 | ED6803 | ED6802 | ED6807 | ED6806 | C4700 | R5211 | R5215 | R5202 | FB5206 | C5226 | R5203 | C4701 | Q6301 | C8126 | R5204 | R6300 | C5221 | R5219 | R5216 | R8122 | R5205 | R4739 | R6708 | R5212 | R6801 | R6303 | C5220 | R6732 | R4738 | R6735 | Q6300 | R6321 | L8100 | C6710 | C6711 | R4736 | U8102 | R6733 | R9326 | R6701 | C6315 | R4740 | R4737 | R9325 | C6713 | R6310 | R6710 | R6807 | R4741 | R6734 | R9315 | R6716 | C8123 | R4750 | C6707 | R9314 | C6320 | R6718 | R4751 | C8124 | C6316 | R6727 | C6800 | R4735 | C6717 | C8121 | R9313 | R6714 | R4734 | C6801 | C8125 | R4730 | C6716 | C6317 | R9328 | R9319 | R6720 | R4731 | L6800 | J8300 | J8302 | R4732 | R9320 | R9317 | R4733 | R9318 | R9327 | R4729 | R4728 | R4727 | R4726 | C8101 | R4724 | R4725 | C8100 | R4723 | R4722 | R4721 | R4720 | C1819 | R4718 | R4719 | R4716 | R4717 | C1807 | C8114 | R9303 | C1818 | J9300 | R4714 | R4715 | R9302 | R2145 | P | R4712 | R4713 | N | R2144 | M | U9300 | L | R4710 | R4711 | K | R5540 | R5511 | J | R4708 | R4709 | R5510 | H | U4000 | R5554 | R5512 | G | C1809 | F | R4706 | R5541 | C8105 | R5514 | R4707 | R9344 | C1805 | E | R2136 | R5513 | R4704 | R4705 | D | R5515 | R5542 | R2135 | R9341 | C8106 | C | B | R5543 | R5516 | R9342 | C8102 | R4702 | R4703 | A | R4700 | R9340 | R5517 | R5544 | R4701 | R8100 | R5545 | R5518 | R9307 | C9306 | 8 | 10 | 12 | 14 | R8102 | C4301 | R4301 | R9306 | 13 | C8103 | Q9300 | C8104 | C2380 | R8103 | C2306 | C9305 | C2307 | C8107 | R2332 | C8108 | R2326 | C2345 | C2303 | J9901 | R2318 | C2344 | C2302 | C8109 | C8110 | L2301 | C4601 | C8111 | C4600 | C8112 | R2325 | C1101 | R4641 | L2305 | R2243 | L2302 | R4640 | R2317 | R2335 | R2241 | R4627 | R4626 | C1815 | R4651 | L2308 | R2350 | R4652 | R4642 | C1802 | R1802 | R4631 | R1101 | R2354 | R4630 | C2385 | R1103 | R1804 | C1801 | R2349 | R2348 | R4650 | R2355 | L2307 | R2352 | R4629 | R2347 | R4628 | C2349 | C2364 | R4625 | R4624 | R1602 | C1601 | C2362 | R4623 | C2327 | R4622 | C2359 | C2328 | C2337 | C2355 | R4620 | R4621 | R1503 | R1903 | R2334 | C2338 | R1904 | R4618 | R4619 | R4616 | R4617 | R4614 | R4615 | R4612 | R4613 | C1512 | R1500 | J9900 | C1510 | R4610 | R4611 | R4608 | R4609 | R1430 | R4607 | R1511 | R1509 | R4606 | R1405 | R4605 | R4604 | C1604 | R1604 | U3801 | R4602 | R4603 | C1606 | R1606 | R4600 | R4601 | C1423 | U2101 | R2119 | R2124 | C1422 | C1420 | R1406 | R2117 | R2116 | C1421 | R1408 | R1404 | R2114 | C2104 | R2125 | C3883 | R2121 | D2100 | R1403 | R1409 | R2106 | D2101 | C2280 | R1407 | C2283 | C2207 | C2233 | C2206 | C2232 | J9905 | J9903 | R2251 | R2250 | C2205 | C2231 | C2249 | R2254 | R2264 | C2204 | C2230 | R2237 | C2248 | R2265 | C2234 | J2100 | C2246 | C2229 | R2210 | C2209 | R2211 | R2215 | R2209 | C2251 | C9307 | L2204 | R2212 | R2206 | C2210 | C2253 | R2202 | R2207 | C9308 | R2255 | R2256 | R3809 | C2263 | C3841 | R2203 | R9308 | R1331 | R9001 | LED9001 | R2200 | R1330 | L2206 | L2200 | C2009 | R9309 | R2007 | U2200 | R2009 | L2209 | L2000 | C2258 | R2253 | U2000 | R9310 | C2005 | R2257 | C2261 | R2272 | C2025 | R2004 | C2222 | R2245 | C2024 | R2271 | C2026 | R2246 | R9324 | C2008 | C2221 | L2203 | R2238 | C2023 | R2247 | C2010 | C2022 | C2017 | R2268 | C1754 | R2228 | R2263 | R2013 | C2260 | C2007 | R2010 | C2016 | R2229 | C2011 | SW9208 | R9323 | R2266 | C2217 | R2270 | R2220 | S1300 | C2012 | R2231 | C2015 | C2216 | R2239 | R9311 | R2221 | J9904 | C2219 | F2001 | C2220 | C2014 | C2215 | C2245 | C2237 | C2218 | R9312 | C2214 | C2284 | C2244 | C2238 | LED9000 | R9000 | C2223 | C2027 | R2242 | R2219 | R2230 | R9322 | R2244 | R2223 | R2224 | R2033 | C2028 | R2502 | R9321 | C8304 | C2501 | D5006 | U2500 | D2000 | R2517 | R2505 | U2501 | C2505 | C2502 | R4800 | R4815 | R2512 | R4803 | C2503 | R1704 | R1705 | U2603 | Q4805 | C2506 | R1701 | R1702 | Q4802 | R4810 | ED2501 | ED2500 | ED2503 | ED2502 | R4820 | R5022 | R1714 | R1711 | R1715 | R1712 | D5001 | R1703 | R1700 | ED2508 | ED2509 | R4806 | R95006 | D5003 | R5009 | ED2506 | ED2507 | R1713 | R1718 | R1717 | R1716 | ED2504 | ED2505 | C5000 | R1706 | R1707 | R5019 | C2609 | U2600 | ED5000 | ED5001 | ED5008 | ED5009 | U2601 | ED4805 | ED4800 | ED2600 | J2500 | C2001 | USB2500 | S2000 | J5001 | J4800 | J5000 | C6304 | C6300 | C6306 | J2600 | J9301 | SMTSO1 | SMTSO2 | SMTSO0 | J9302
